# Altium PCB 28Pins_Project_V1I1_PCB.PcbDoc (part 2 of 2)
Units mm, origin at the board's own origin, x right, y up, seen from the top; angles counter-clockwise.
Board outline 93 x 55.5 mm, 2 copper layers (L1, L2), stack 1.671 mm thick; 126 components, 78 nets, 418 pads, 95 vias.
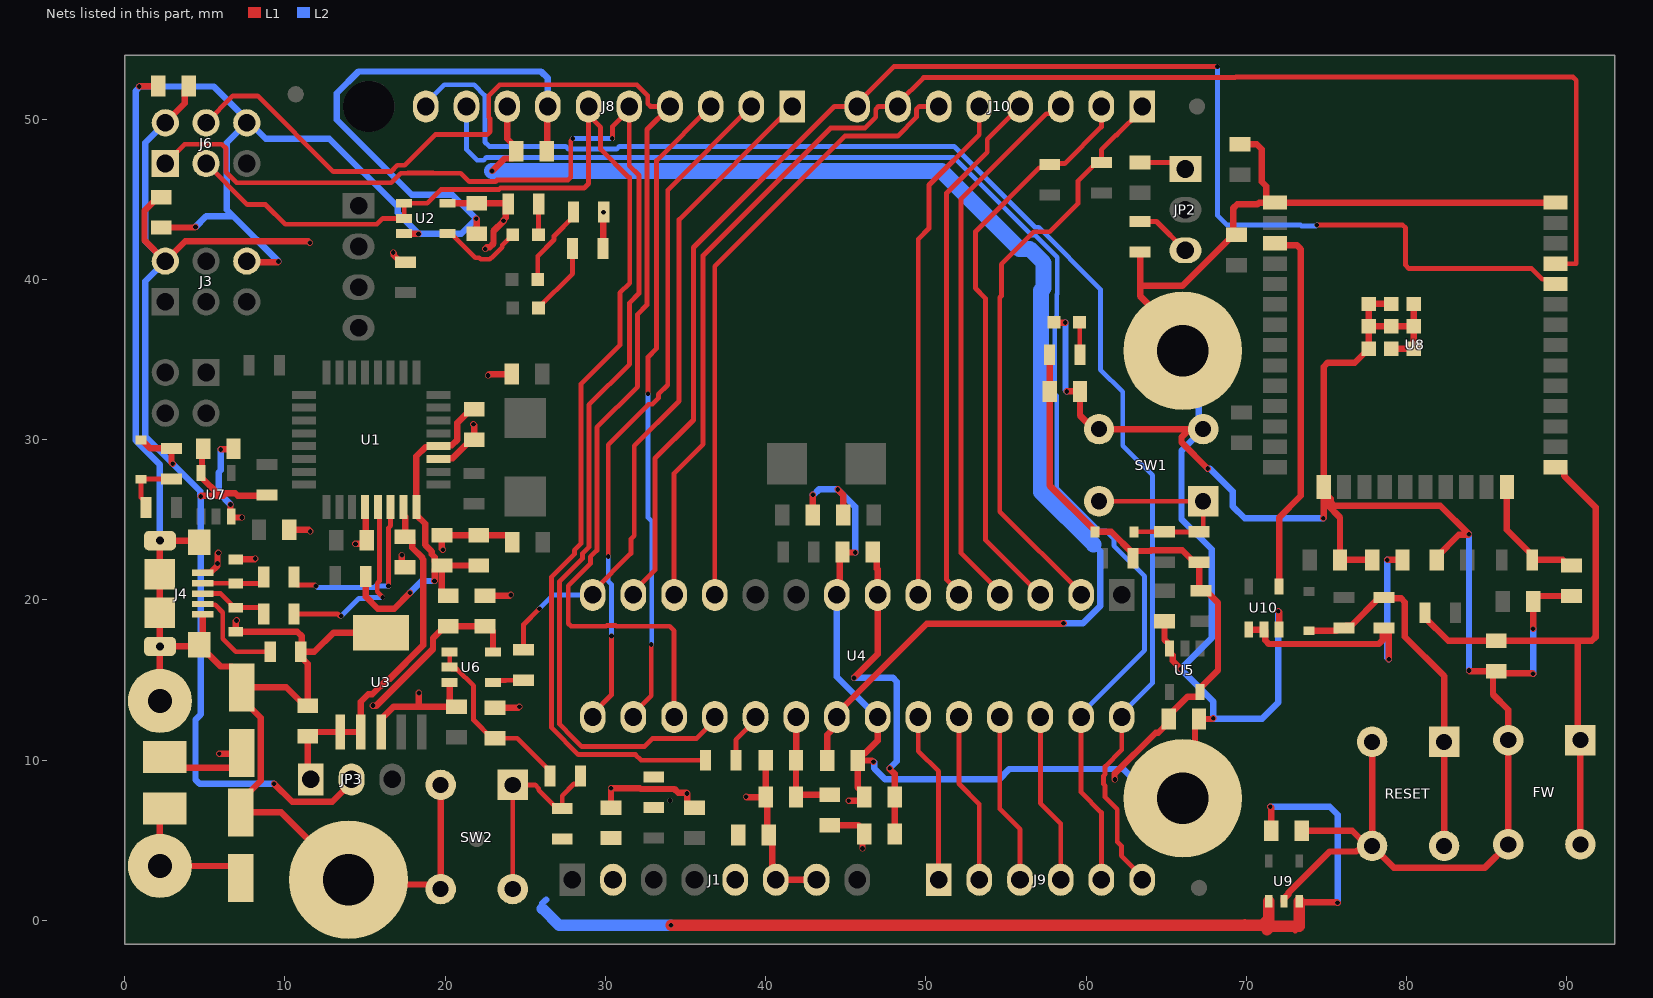
[diagram p2: the nets of this part, all layers, seen from the top]

## Via types
v1: diameter 0.3, hole 0.3, L1 to L2, 95 vias

## Nets (pads, with @x,y where several pads share a name; then routed paths per layer and width w, separated by ;. In a path a pad name is that pad's centre, name@x,y a point inside that pad or via, vN(x,y) a via of type N, cw(c..) or ccw(c..) an arc to the next point about the centre after c; other vN are vias at no path point) (continued)
+5/3.3V: C2.2 C4.2 C5.2 C11.2 C19.2 C28.2 C29.2 C30.2 D5.1 D6.1 FB1.1 FB2.1 FB3.1 J1.2 J3.2 J6.2 JP3.2 R1.2 R2.2 R3.2 R4.2 R5.2 R7.2 R15.2 R16.1 R19.2 R21.2 R22.2 R23.2 R24.2 U2.5 U5.5 U6.5 U7.5 | length 146
  L1 w0.4: D6.1@1.016,29.972 1.079,29.972 1.593,29.459 R24.2@2.921,29.459 2.921,28.575 v1(2.997,28.499) ; C11.2@2.286,45.146 2.086,45.146 1.236,44.296 1.236,42.452 J3.2@2.54,41.148 3.79,42.398 11.45,42.398 v1(11.557,42.291) ; J6.2@2.54,49.784 3.748,50.992 3.748,51.82 C19.2@3.998,52.07 ; v1(4.75,26.467) 4.788,26.505 5.896,26.505 6.16,26.505 6.314,26.659 6.894,26.659 7.048,26.505 8.847,26.505 R7.2@8.89,26.548 ; C30.2@4.892,29.439 4.823,29.37 4.823,27.983 U7.5@4.755,27.915 4.755,27.69 5.896,26.548 ; v1(9.322,8.534) 10.456,7.4 12.96,7.4 14.16,8.6 JP3.2@14.16,8.8 ; v1(15.494,13.411) 15.718,13.411 19.244,16.936 19.244,17.605 19.993,18.354 FB1.1@20.193,18.354 C29.2@22.479,18.354 ; v1(16.764,41.681) 16.802,41.643 16.802,41.506 17.226,41.082 R3.2@17.526,41.082 ; U2.5@20.146,44.765 C5.2@21.971,44.765 23.881,44.765 R5.2@23.942,44.704 23.792,44.554 23.792,43.866 23.65,43.724 v1(23.65,43.67) 23.65,43.655 23.021,43.026 23.021,42.249 22.787,42.015 22.609,42.015 v1(22.504,41.91) ; C29.2@22.679,18.354 22.987,18.046 U6.5@22.987,16.759 ; R2.2@29.855,41.935 29.881,41.961 v1(29.881,44.196) R1.2@29.906,44.221 ; FB3.1@44,5.95 45.8,5.95 46.15,5.6 FB2.1@46.15,5.4 46.05,5.3 v1(46.05,4.496) ; R4.2@57.724,35.306 C4.2@57.724,33.02 57.724,27.15 60.554,24.32 D5.1@60.554,24.257 61.575,24.257 R19.2@62.926,22.906 ; v1(61.8,8.8) 61.777,8.823 61.777,9.155 64.342,11.72 64.498,11.72 65.151,12.373 C28.2@65.151,12.573 ; R19.2@62.926,22.606 R19.2@62.926,22.906 ; C28.2@65.151,12.773 66.349,13.971 67.042,13.971 67.117,14.046 U5.5@67.117,14.271 67.117,14.496 68.233,15.612 68.233,19.824 67.483,20.574 R21.2@67.183,20.574 67.056,20.701 R22.2@67.056,22.352 66.756,22.352 66.006,23.102 64.081,23.102 64.035,23.056 63.076,23.056 R19.2@62.926,22.906
  L2 w0.4: J6.2@2.54,49.784 1.29,48.534 1.29,42.398 J3.2@2.54,41.148 1.29,39.898 1.29,30.206 v1(2.997,28.499) 4.712,26.784 4.712,26.505 v1(4.75,26.467) 4.75,12.856 4.42,12.525 4.42,8.788 4.674,8.534 v1(9.322,8.534)
  other v1: 34.036,7.493
+5/3V3_16U2: C6.2 C7.2 C8.2 FB1.2 R6.2 U1.4 U1.32 | length 25.1
  L1 w0.4: R6.2@15.047,21.463 15.047,20.213 15.801,19.459 16.817,19.459 v1(17.805,20.447) ; v1(19.329,21.184) 19.35,21.204 19.35,21.9 C7.2@19.6,22.15 ; FB1.2@20.193,20.254 20.05,20.254 19.8,20.504 C7.2@19.8,22.15 ; C8.2@21.819,31.913 21.619,31.913 20.769,31.063 20.769,30.003 20.416,29.65 19.65,29.65 U1.4@19.6,29.6 19.55,29.55 18.784,29.55 18.2,28.966 U1.32@18.2,25.8 18.2,25.3 18.75,24.75 18.75,23.434 19.163,23.022 19.163,22.849 19.35,22.662 19.35,22.4 C7.2@19.6,22.15 ; C6.2@22.1,22.15 C7.2@19.8,22.15 ; C7.2@19.6,22.15 C7.2@19.8,22.15
  L2 w0.4: v1(17.805,20.447) 18.542,21.184 v1(19.329,21.184)
+5/3V3_328P_AVCC: C23.2 C24.2 FB3.2 U4.20 | length 7.2
  L1 w0.4: U4.20@41.91,12.7 41.905,12.695 41.905,10.005 C24.2@41.9,10 C23.2@41.9,7.7 42.05,7.85 FB3.2@44,7.85
+5/3V3_328P_VCC: C21.2 C22.2 FB2.2 U4.7 | length 21.2
  L1 w0.4: v1(45.517,15.138) 46.99,16.612 U4.7@46.99,20.32 46.99,21.92 46.95,21.96 46.95,22.75 C22.2@46.7,23 ; v1(47.752,9.5) 47.752,9.445 48.05,9.147 C21.2@48.05,7.7 FB2.2@48.05,5.4
  L2 w0.4: v1(45.517,15.138) 47.949,15.138 48.19,14.898 48.19,9.938 v1(47.752,9.5)
+5V: C1.2 C9.2 C13.1 C17.2 C37.2 J1.5 J5.1 JP3.1 L1.2 R15.1 U1.31 U3.1 U3.2 U9.1 U9.3 | length 97.9
  L1 w0.4: L1.2@2.5,7 2.2,6.7 J5.1@2.2,3.4 6.639,3.4 7.239,2.8 C13.1@7.239,2.649 ; C17.2@11.43,11.496 11.43,8.99 JP3.1@11.62,8.8 ; C17.2@11.63,11.496 11.893,11.759 U3.1@13.462,11.759 U3.2@14.732,11.759 14.732,13.639 15.204,14.111 15.457,14.111 16.386,15.04 16.498,15.04 18.644,17.185 18.644,20.879 18.629,20.894 18.629,21.474 18.644,21.488 18.644,22.52 18.563,22.601 18.563,22.653 17.95,23.266 17.95,23.7 17.7,23.95 C9.2@17.5,23.95 17.5,25.2 17.4,25.3 U1.31@17.4,25.8 ; 69.7,-0.3 69.9,-0.1 ; 71,-0.3 71.3,-0.6 ; v1(71.5,7.1) 71.55,7.05 C37.2@71.55,5.6 ; 73.066,-0.6 73.3,-0.366 ; U9.3@73.3,1.198 73.3,1.167 73.329,1.138 75.662,1.138 v1(75.7,1.1)
  L1 w0.7: v1(34.1,-0.3) 69.7,-0.3 71,-0.3 71.4,0.1 U9.1@71.4,1.198 ; 71.3,-0.6 71.534,-0.366 73.3,-0.366 U9.3@73.3,1.198
  L2 w0.4: 26.066,0.734 26.066,1.066 26.3,1.3 ; v1(71.5,7.1) 75.2,7.1 75.7,6.6 v1(75.7,1.1)
  L2 w0.7: 26.066,0.734 27.1,-0.3 v1(34.1,-0.3)
+5V_USB: C12.1 J4.1 L1.1 | length 9
  L1 w0.4: L1.1@2.5,10.2 3.175,9.525 6.7,9.525 7.3,10.125 C12.1@7.3,10.45 7.25,10.4 v1(5.9,10.4) ; J4.1@4.875,21.7 5.35,21.7 5.791,22.141 5.791,22.877 v1(5.85,22.936)
  other v1: 5.791,22.276
+AREF: C20.2 C25.2 J8.8 U4.21 | length 87.4
  L1 w0.4: v1(22.929,46.775) 22.95,46.775 23.731,47.556 24.2,47.556 24.45,47.806 C20.2@24.45,48.006 24.45,48.206 23.876,48.78 J8.8@23.876,50.8 ; C25.2@43.856,9.982 43.856,11.581 44.45,12.175 U4.21@44.45,12.7 44.45,12.9 50.067,18.517 58.496,18.517 58.522,18.542 v1(58.598,18.542)
  L2 w0.4: v1(58.598,18.542) 59.809,18.542 60.89,19.623 60.89,23.041 60.466,23.466
  L2 w1: v1(22.929,46.775) 50.974,46.775 55.837,41.911 56.476,41.911 57.355,41.033 57.355,39.457 57.201,39.303 57.201,26.73 60.466,23.466
AD0: J9.1 U4.23 | length 10.7
  L1 w0.3: U4.23@49.53,12.7 49.53,10.57 50.8,9.3 J9.1@50.8,2.54
AD1: J9.2 U4.24 | length 10.7
  L1 w0.3: U4.24@52.07,12.7 52.07,8.534 53.34,7.264 J9.2@53.34,2.54
AD2: J9.3 U4.25 | length 10.7
  L1 w0.3: U4.25@54.61,12.7 54.61,6.96 55.88,5.69 J9.3@55.88,2.54
AD3: J9.4 U4.26 | length 10.7
  L1 w0.3: U4.26@57.15,12.7 57.15,7.315 58.42,6.045 J9.4@58.42,2.54
AD4/SDA: J8.9 J9.5 U4.27 | length 86.1
  L1 w0.3: U4.27@59.69,12.7 59.69,8.001 60.96,6.731 J9.5@60.96,2.54
  L2 w0.3: J8.9@21.336,50.8 21.336,48.108 21.996,47.447 22.399,47.447 22.577,47.625 51.744,47.625 56.607,42.761 56.828,42.761 58.205,41.385 58.205,39.105 58.166,39.066 58.166,37.697 58.051,37.582 58.051,32.851 58.166,32.736 58.166,26.968 60.818,24.316 61.242,24.316 61.74,23.818 61.74,23.394 63.652,21.481 63.652,16.862 59.69,12.9 U4.27@59.69,12.7
AD5/SDL: J8.10 J9.6 U4.28 | length 90.4
  L1 w0.3: U4.28@62.23,12.7 62.23,10.643 61.189,9.601 61.189,9.123 61.097,9.032 61.097,8.494 61.189,8.403 61.189,7.696 61.951,6.934 61.951,4.902 62.205,4.648 62.205,4.035 63.5,2.74 J9.6@63.5,2.54
  L2 w0.3: J8.10@18.796,50.8 18.796,51 19.946,52.15 21.812,52.15 22.486,51.476 22.486,48.583 22.758,48.311 27.529,48.311 27.696,48.143 30.698,48.143 30.866,48.311 51.765,48.311 51.853,48.223 56.815,43.261 57.035,43.261 60.9,39.396 60.9,34.374 62.289,32.985 62.289,29.638 64.152,27.774 64.152,14.822 62.23,12.9 U4.28@62.23,12.7
BUTTON_RESET_ESP: D7.2 R29.1 R30.1 RESET.1 RESET.2 | length 23.2
  L1 w0.4: D7.2@73.9,18.081 75.631,18.081 75.8,18.25 R29.1@76.1,18.25 76.25,18.4 76.55,18.4 78.3,20.15 R30.1@78.6,20.15 78.65,20.1 79.666,20.1 79.9,19.866 79.9,17.7 82.35,15.25 RESET.1@82.35,11.15 RESET.2@82.35,4.65
BUTTON_RESETn: D5.2 R22.1 R25.1 SW1.1 SW1.2 | length 12.6
  L1 w0.3: SW1.2@60.81,26.162 SW1.1@67.31,26.162 67.31,24.452 R22.1@67.11,24.252 ; D5.2@62.992,24.257 62.994,24.255 64.894,24.255 R25.1@64.897,24.252 R22.1@67.056,24.252
CON_USB_N: J4.2 R9.1 Z1.2 | length 4.1
  L1 w0.3: J4.2@4.875,21.05 4.887,21.038 6.914,21.038 Z1.2@6.925,21.027 8.475,21.027 8.675,21.227 R9.1@8.675,21.427
CON_USB_P: J4.3 R10.1 Z2.2 | length 4.5
  L1 w0.3: J4.3@4.875,20.4 6,20.4 6.625,19.775 6.625,19.677 6.775,19.527 Z2.2@6.925,19.527 8.475,19.527 8.675,19.327 R10.1@8.675,19.127
ESP_BUF_RESETn: C39.2 R30.2 U10.1 U10.2 | length 19.3
  L1 w0.4: U10.1@70.15,18.15 U10.2@71.1,18.15 71.175,18.075 71.175,17.484 71.409,17.25 78.266,17.25 78.5,17.484 78.5,18.15 R30.2@78.6,18.25 78.75,18.25 78.9,18.1 v1(78.9,16.3) ; v1(78.8,22.5) C39.2@79.75,22.5
  L2 w0.4: v1(78.8,22.5) 78.8,16.4 v1(78.9,16.3)
ESP_RESETn: U8.3 U10.4 | length 23.4
  L1 w0.4: U8.3@71.799,42.26 71.908,42.151 73.149,42.151 73.4,41.9 73.4,26.5 72.05,25.15 U10.4@72.05,20.85
GND: C1.1 C2.1 C3.1 C4.1 C5.1 C6.1 C7.1 C8.1 C9.1 C10.1 C11.1 C12.2 C13.2 C14.1 C15.1 C17.1 C18.1 C19.1 C20.1 C21.1 C22.1 C23.1 C24.1 C25.1 C26.1 C27.1 C28.1 C29.1 C30.1 C31.1 C32.1 C33.1 C34.1 C35.1 C36.1 C37.1 C38.1 C39.1 C40.1 C41.1 C42.1 D3.1 FW.3 FW.4 J1.6 J1.7 J3.6 J4.5 J4.6 J4.7 J4.8 J4.9 J4.10 J4.11 J6.6 J7.1 J8.7 MH1.1 MH2.1 MH3.1 R11.2 R17.1 RESET.3 RESET.4 SW1.3 SW1.4 SW2.3 SW2.4 U1.3 U1.28 U2.3 U3.3 U3.6 U4.8 U4.22 U5.3 U6.3 U7.3 U8.1 U8.15 U8.38 U8.39 U8.40 U8.41 U8.42 U8.43 U8.44 U8.45 U8.46 U8.47 U9.2 U10.3 Z1.1 Z2.1 | length 499
  L1 w0.4: v1(0.914,52.045) 0.94,52.07 C19.1@2.098,52.07 ; J7.1@2.2,13.7 J4.9@2.2,17.1 ; C11.1@2.286,43.246 4.384,43.246 v1(4.42,43.282) ; J4.7@4.65,17.1 5.15,16.6 5.25,16.6 6,15.85 6.7,15.85 7.3,15.25 C12.2@7.3,14.55 ; J4.6@4.65,23.6 4.55,23.7 J4.8@2.2,23.7 J4.10@2.2,21.6 J4.11@2.2,19.2 J4.9@2.2,17.1 ; J4.5@4.875,19.1 4.875,17.425 J4.7@4.65,17.2 4.55,17.1 J4.9@2.2,17.1 ; v1(6,29.4) 6.753,29.4 C30.1@6.792,29.439 ; v1(6.604,25.959) 6.604,25.265 U7.3@6.655,25.215 6.723,25.146 v1(7.315,25.146) ; Z1.1@6.925,22.527 6.952,22.554 8.127,22.554 v1(8.153,22.581) ; v1(6.985,18.727) 6.925,18.667 Z2.1@6.925,18.027 10.777,18.027 11.049,17.755 11.049,16.83 R11.2@10.983,16.764 ; J3.6@7.62,41.148 7.696,41.072 9.55,41.072 v1(9.601,41.123) ; C33.1@10.282,24.384 11.481,24.384 v1(11.582,24.282) ; v1(14.4,23.5) 14.874,23.5 C10.1@15.098,23.724 15.049,23.773 15.049,25.751 U1.28@15,25.8 ; U3.3@16.002,11.759 16.002,12.559 16.778,13.335 18.364,13.335 ; U3.6@16.002,17.959 13.031,17.959 11.836,16.764 R11.2@10.983,16.764 ; v1(17.3,22.8) 17.3,22.25 C9.1@17.5,22.05 ; U2.3@17.446,42.865 18.324,42.865 v1(18.339,42.85) ; v1(18.364,14.199) 18.364,13.335 ; U1.3@19.6,28.8 19.65,28.85 20.464,28.85 21.369,29.754 21.369,29.763 21.619,30.013 C8.1@21.819,30.013 21.819,30.912 v1(21.768,30.963) ; SW2.3@19.721,8.457 SW2.4@19.721,1.957 19.434,2.244 14.266,2.244 MH1.1@13.97,2.54 9.761,6.749 C13.2@7.239,6.749 7.239,7.449 8.5,8.71 8.5,12.65 7.3,13.85 C12.2@7.3,14.55 ; v1(19.863,23.139) 19.8,23.202 C7.1@19.8,24.05 C6.1@22.1,24.05 23.95,24.05 24.2,23.8 C15.1@24.2,23.6 ; U6.3@20.287,14.859 20.287,13.585 20.537,13.335 C18.1@20.701,13.335 18.364,13.335 ; v1(21.946,43.79) 21.971,43.764 C5.1@21.971,42.865 ; C29.1@22.479,20.254 24.039,20.254 v1(24.105,20.32) ; v1(22.682,34.011) 22.772,34.1 C14.1@24.15,34.1 ; C32.1@23.114,13.269 24.572,13.269 v1(24.638,13.335) ; C20.1@26.35,48.006 26.383,48.039 26.383,50.767 J8.7@26.416,50.8 ; C2.1@30.353,7.046 30.508,7.046 30.353,7.201 v1(30.353,8.255) 32.15,8.255 32.204,8.201 34.318,8.201 34.556,7.963 35.065,7.963 v1(35.103,7.925) 35.11,7.918 35.11,7.296 35.36,7.046 C3.1@35.56,7.046 ; v1(38.786,7.722) 38.807,7.7 C23.1@40,7.7 ; C24.1@40,10 C23.1@40,7.7 ; C26.1@42.95,25.3 42.95,26.567 v1(42.951,26.568) ; J1.7@43.18,2.54 J1.6@40.64,2.54 40.416,2.764 40.416,5.111 C1.1@40.193,5.334 40.096,5.43 40.096,7.604 C23.1@40,7.7 ; U4.8@44.45,20.32 44.625,20.495 44.625,22.705 44.628,22.708 44.628,22.828 C22.1@44.8,23 44.838,22.962 v1(45.593,22.962) ; v1(44.501,26.899) 44.85,26.549 C27.1@44.85,25.3 ; v1(45.187,7.468) 45.918,7.468 C21.1@46.15,7.7 46.15,7.9 45.756,8.294 C25.1@45.756,9.982 46.634,9.982 46.711,9.906 v1(46.736,9.906) ; C25.1@45.756,10.182 46.006,10.432 46.206,10.432 46.99,11.217 U4.22@46.99,12.7 ; D3.1@58.001,37.338 58.026,37.313 v1(58.701,37.313) ; v1(58.801,33.02) C4.1@59.624,33.02 59.624,31.511 60.473,30.662 SW1.4@60.81,30.662 SW1.3@66.462,30.662 ; R17.1@63.373,41.722 63.373,39.6 ; C31.1@64.897,18.674 64.897,17.516 65.217,17.196 65.217,16.746 65.405,16.558 65.405,16.205 v1(65.913,15.697) ; MH2.1@66.04,7.62 66.801,8.381 66.801,12.123 67.048,12.37 67.208,12.37 67.051,12.527 C28.1@67.051,12.573 67.894,12.573 v1(67.945,12.624) ; MH3.1@66.04,35.56 66.04,36.307 63.373,38.974 63.373,39.6 ; SW1.3@67.31,30.662 SW1.3@66.462,30.662 ; v1(67.6,28.2) 65.96,29.84 65.96,30.16 SW1.3@66.462,30.662 ; C36.1@69.6,48.45 70.65,48.45 70.967,48.133 70.967,46.105 71.25,45.822 71.25,44.8 70.8,44.8 70.7,44.7 69.434,44.7 69.2,44.466 69.2,43 C35.1@69.4,42.8 69.2,42.8 66,39.6 63.373,39.6 ; U8.1@71.799,44.8 U8.38@89.3,44.8 ; v1(72,19.3) 72.05,19.25 U10.3@72.05,18.15 ; U9.2@72.35,1.198 72.35,1.37 72.661,1.681 72.661,1.754 75.208,4.3 76.866,4.3 76.929,4.363 77.563,4.363 RESET.4@77.85,4.65 ; C37.1@73.45,5.6 76.608,5.6 77.558,4.65 RESET.4@77.85,4.65 ; v1(74.8,25.1) 74.835,25.135 U8.15@74.835,26.734 ; 75.079,26.124 75.079,25.921 75.85,25.15 C34.1@75.85,22.5 C39.1@77.85,22.5 ; RESET.3@77.85,11.15 RESET.4@77.85,4.65 ; U8.43@79.049,35.679 U8.44@80.448,35.679 U8.45@80.448,37.078 ; U8.47@79.049,38.478 U8.40@77.649,38.478 U8.41@77.649,37.078 ; U8.46@80.448,38.478 U8.45@80.448,37.078 ; C38.1@81.9,22.7 83.262,24.062 83.862,24.062 v1(83.9,24.1) 82.11,25.89 75.495,25.89 75.26,26.124 75.26,26.309 U8.15@74.835,26.734 ; v1(83.9,15.6) 83.95,15.55 C40.1@85.6,15.55 ; v1(87.9,15.4) 87.862,15.438 85.712,15.438 C40.1@85.6,15.55 ; v1(87.9,18.2) 87.9,20 88.15,20.25 C41.1@90.3,20.25 ; C12.2@7.3,14.55 10.076,14.55 11.23,13.396 C17.1@11.43,13.396 11.43,16.017 10.983,16.464 R11.2@10.983,16.764 ; U8.15@74.835,26.734 U8.15@74.835,27.039 74.835,34.566 75.069,34.8 76.77,34.8 U8.42@77.649,35.679 U8.41@77.649,37.078 ; U8.41@77.649,37.078 U8.39@79.049,37.078 U8.45@80.448,37.078 ; RESET.4@77.85,4.65 79.2,3.3 84.9,3.3 FW.4@86.35,4.75 FW.3@86.35,11.25 86.35,13.15 85.4,14.1 85.4,15.35 C40.1@85.6,15.55
  L2 w0.4: J4.8@2.2,23.7 2.2,28.447 0.69,29.957 0.69,51.766 0.914,51.99 v1(0.914,52.045) 5.563,52.045 8.814,48.793 12.772,48.793 17.033,44.533 17.033,44.155 v1(18.339,42.85) 21.006,42.85 v1(21.946,43.79) 20.436,45.299 17.912,45.299 13.24,49.972 13.24,51.628 14.596,52.984 25.984,52.984 26.416,52.553 J8.7@26.416,50.8 ; v1(4.42,43.282) 5.08,43.942 6.782,43.942 ; v1(6,29.4) 6,28.087 5.867,27.954 5.867,26.695 v1(6.604,25.959) ; J6.6@7.62,49.784 6.37,48.534 6.37,44.354 6.782,43.942 ; v1(9.601,41.123) 6.782,43.942 ; v1(42.951,26.568) 43.006,26.568 43.336,26.899 v1(44.501,26.899) 45.593,25.806 v1(45.593,22.962) ; U4.8@44.45,20.32 44.45,15.215 46.965,12.7 U4.22@46.99,12.7 ; v1(46.736,9.906) 46.774,9.868 46.774,9.487 47.462,8.8 54.565,8.8 55.214,9.449 62.317,9.449 64.146,7.62 MH2.1@66.04,7.62 ; v1(58.701,37.313) 58.716,37.298 58.716,33.105 v1(58.801,33.02) ; MH3.1@66.04,35.56 67.023,34.577 67.023,30.949 SW1.3@67.31,30.662 65.96,29.312 65.96,25.046 67.845,23.161 67.845,17.629 v1(65.913,15.697) 67.945,13.665 v1(67.945,12.624) 67.969,12.6 71,12.6 72,13.6 v1(72,19.3) ; v1(67.6,28.2) 67.738,28.2 69.163,26.775 69.163,25.837 69.9,25.1 v1(74.8,25.1) ; v1(83.9,15.6) v1(83.9,24.1) ; v1(87.9,15.4) v1(87.9,18.2)
IO0: J10.1 R12.2 U4.2 | length 37
  L1 w0.3: U4.2@59.69,20.32 59.69,20.447 54.62,25.517 54.62,38.877 54.721,38.978 54.721,39.121 54.727,39.126 54.727,39.665 54.721,39.67 54.721,40.954 56.744,42.977 57.734,42.977 59.495,44.737 59.495,46.14 60.66,47.305 R12.2@60.96,47.305 60.96,48.105 61.882,49.027 61.927,49.027 63.5,50.6 J10.1@63.5,50.8
IO1: J10.2 R14.2 U4.3 | length 35.9
  L1 w0.3: U4.3@57.15,20.32 53.721,23.749 53.721,38.832 53.1,39.453 53.1,42.991 57.087,46.978 57.534,46.978 R14.2@57.734,47.178 ; R14.2@58.174,47.039 58.174,47.178 58.234,47.239 58.674,47.239 60.96,49.525 J10.2@60.96,50.8
IO2: J10.3 U4.4 | length 34.3
  L1 w0.3: U4.4@54.61,20.32 54.61,20.515 52.2,22.925 52.2,45.037 57.514,50.351 57.971,50.351 J10.3@58.42,50.8
IO3: J10.4 U4.5 | length 32.7
  L1 w0.3: U4.5@52.07,20.32 52.07,20.499 51.3,21.269 51.3,45.4 53.84,47.94 53.84,48.76 J10.4@55.88,50.8
IO4: J10.5 U4.6 | length 32.1
  L1 w0.3: U4.6@49.53,20.32 49.53,42.52 50.2,43.19 50.2,45.9 53.34,49.04 J10.5@53.34,50.8
IO5: J10.6 U4.11 | length 38.9
  L1 w0.3: U4.11@36.83,20.32 36.83,40.83 44.95,48.95 48.236,48.95 49.41,50.124 49.41,50.624 49.586,50.8 J10.6@50.8,50.8
IO6: J10.7 U4.12 U8.35 | length 94.3
  L1 w0.3: U4.12@34.29,20.32 34.29,27.915 36.1,29.725 36.1,41.5 44.05,49.45 46.196,49.45 46.87,50.124 46.87,50.624 47.046,50.8 J10.7@48.26,50.8 48.26,51 49.86,52.6 69.3,52.6 69.34,52.64 90.384,52.64 90.6,52.424 90.6,41 90.59,40.99 U8.35@89.3,40.99
IO7: J10.8 U4.13 U8.34 | length 94.3
  L1 w0.3: U4.13@31.75,20.32 31.75,20.52 33.096,21.866 33.096,28.829 35.5,31.233 35.5,42 44.3,50.8 J10.8@45.72,50.8 45.72,51 48.02,53.3 v1(68.2,53.3) ; v1(74.4,43.4) 79.77,43.4 79.946,43.224 79.946,40.887 80.151,40.682 87.818,40.682 88.485,40.014 89.005,40.014 U8.34@89.3,39.72
  L2 w0.3: v1(68.2,53.3) 68.2,44 68.8,43.4 73.381,43.4 73.431,43.35 74.35,43.35 v1(74.4,43.4)
IO8: J8.1 R26.2 U4.14 | length 42.3
  L1 w0.3: R26.2@24.892,16.891 24.892,18.466 v1(25.883,19.456) ; U4.14@29.21,20.32 29.21,20.52 31.598,22.908 31.598,23.8 31.801,24.003 31.801,29.62 34.6,32.42 34.6,43.744 J8.1@41.656,50.8
  L2 w0.3: v1(25.883,19.456) 26.746,20.32 U4.14@29.21,20.32
IO9: J8.2 U4.15 | length 42.5
  L1 w0.3: U4.15@29.21,12.7 29.21,12.9 30.378,14.068 v1(30.378,17.755) ; v1(30.175,22.708) 30.175,29.693 32.7,32.218 32.934,32.218 33.314,32.598 33.314,32.832 33.9,33.417 33.9,45.584 J8.2@39.116,50.8
  L2 w0.3: v1(30.175,22.708) 30.175,21.181 30.378,20.978 v1(30.378,17.755)
MISO: J6.1 J8.5 U4.18 | length 87.4
  L1 w0.3: J6.1@2.54,47.244 3.74,48.444 6.064,48.444 6.325,48.184 6.325,46.707 6.987,46.044 16.635,46.044 17.225,46.634 17.674,46.634 17.689,46.649 19.264,46.649 19.279,46.634 20.981,46.634 21.504,46.111 23.147,46.111 23.24,46.204 27.663,46.204 27.838,46.38 27.838,48.666 v1(27.965,48.793) ; v1(30.429,48.793) 30.439,48.804 30.439,49.543 J8.5@31.496,50.6 ; J8.5@31.496,50.8 J8.5@31.496,50.6 ; U4.18@36.83,12.7 36.83,12.5 35.68,11.35 32.933,11.35 32.433,10.85 28.524,10.85 27.56,11.814 27.56,11.83 27.145,12.245 27.145,21.158 28.566,22.579 28.566,22.893 28.972,23.3 28.972,32.172 31.514,34.714 31.514,38.55 32.1,39.136 32.1,46.509 31.496,47.113 J8.5@31.496,50.6
  L2 w0.3: v1(27.965,48.793) v1(30.429,48.793)
MOSI: J6.4 J8.4 U4.17 | length 83.2
  L1 w0.3: J6.4@5.08,49.784 6.756,51.46 8.306,51.46 13.028,46.738 16.622,46.738 17.018,47.134 17.467,47.134 19.38,49.047 22.633,49.047 22.809,49.223 22.809,50.04 22.726,50.124 22.726,51.476 23.4,52.15 31.972,52.15 32.646,51.476 32.646,50.976 32.822,50.8 J8.4@34.036,50.8 32.6,49.364 32.6,38.417 32.014,37.831 32.014,33.314 29.472,30.772 29.472,23.093 29.066,22.686 29.066,22.258 27.686,20.879 27.686,18.532 27.862,18.357 30.061,18.357 30.109,18.405 30.648,18.405 30.696,18.357 34.018,18.357 34.29,18.085 U4.17@34.29,12.7
NetC16_2: C16.2 JP2.1 | length 3
  L1 w0.3: C16.2@63.373,47.305 65.795,47.305 JP2.1@66.2,46.9
NetC40_2: C40.2 FW.1 FW.2 R31.1 U8.25 | length 36.3
  L1 w0.4: R31.1@81.15,19.2 81.15,18.9 82.6,17.45 90.6,17.45 ; U8.25@89.3,28.29 89.605,28.29 89.849,28.045 89.849,27.741 91.8,25.79 91.8,17.684 91.566,17.45 90.6,17.45 ; FW.2@90.85,4.75 FW.1@90.85,11.25 90.684,11.416 90.684,17.366 90.6,17.45
NetC41_2: C41.2 R32.1 U8.24 | length 7.8
  L1 w0.4: U8.24@86.265,27.039 86.265,24.385 87.85,22.8 R32.1@87.85,22.5 89.75,22.5 90.1,22.15 C41.2@90.3,22.15
NetD1_2: D1.2 R1.1 | length 5.1
  L1 w0.3: D1.2@25.781,40.005 25.781,41.466 26.794,42.479 26.794,42.709 28.006,43.921 R1.1@28.006,44.221
NetD2_2: D2.2 R2.1 | length 4.6
  L1 w0.3: D2.2@25.819,38.227 27.955,40.363 R2.1@27.955,41.935
NetD3_2: D3.2 R4.1 | length 2
  L1 w0.3: D3.2@59.601,37.338 59.612,37.327 59.612,35.317 R4.1@59.624,35.306
NetD4_1: D4.1 U2.4 | length 5.5
  L1 w0.3: U2.4@20.146,42.865 20.371,42.865 21.876,41.36 22.135,41.36 22.235,41.26 22.774,41.26 22.874,41.36 22.909,41.36 23.571,42.022 23.571,42.151 D4.1@24.219,42.799
NetD4_2: D4.2 R5.1 | length 1.9
  L1 w0.3: D4.2@25.819,42.799 25.83,42.81 25.83,44.693 R5.1@25.842,44.704
NetD6_2: D6.2 R24.1 R28.1 | length 3.8
  L1 w0.3: R28.1@1.336,25.781 1.336,26.081 1.016,26.401 D6.2@1.016,27.534 1.029,27.546 2.908,27.546 R24.1@2.921,27.559
NetJ4_4: J4.4 R11.1 | length 6.4
  L1 w0.3: J4.4@4.875,19.75 4.925,19.7 5.645,19.7 6.125,19.22 6.125,17.582 6.943,16.764 R11.1@9.083,16.764
NetJP2_3: JP2.3 R17.2 | length 3.6
  L1 w0.3: R17.2@63.373,43.622 64.398,43.622 JP2.3@66.2,41.82
NetR26_1: R26.1 U6.4 | length 2
  L1 w0.3: U6.4@22.987,14.859 23.112,14.984 23.785,14.984 23.792,14.991 R26.1@24.892,14.991
SCK: J6.3 J8.6 R18.2 U2.1 U2.2 | length 83.7
  L1 w0.3: J6.3@5.08,47.244 7.645,44.679 8.788,44.679 10.017,43.45 15.745,43.45 16.11,43.815 U2.2@17.446,43.815 U2.1@17.446,44.765 18.876,44.765 19.722,45.611 23.354,45.611 23.447,45.704 28.667,45.704 28.956,45.993 J8.6@28.956,50.248 ; J8.6@28.956,50.8 J8.6@28.956,50.248 ; R18.2@36.25,10 32.227,10 31.877,10.35 28.317,10.35 26.645,12.022 26.645,21.438 28.066,22.859 28.066,23.1 28.472,23.507 28.472,33.472 30.912,35.912 30.912,39.167 31.521,39.776 31.521,46.38 31.445,46.38 29.7,48.126 29.7,49.504 J8.6@28.956,50.248
SCK_R: R18.1 U4.19 | length 3.2
  L1 w0.3: R18.1@38.15,10 38.15,11.28 39.37,12.5 U4.19@39.37,12.7
SS: J8.3 U4.16 | length 40.3
  L1 w0.3: U4.16@31.75,12.7 31.75,12.9 32.868,14.018 v1(32.868,17.221) ; v1(32.664,32.868) 32.664,35.164 33.2,35.7 33.2,47.424 J8.3@36.576,50.8
  L2 w0.3: v1(32.664,32.868) 32.664,25.138 32.9,24.902 32.9,17.254 v1(32.868,17.221)
USB_N: R9.2 U1.30 | length 11.4
  L1 w0.3: R9.2@10.575,21.427 10.575,21.127 10.775,20.927 11.89,20.927 v1(11.938,20.879) ; v1(16.468,20.873) 16.468,24.513 16.6,24.645 U1.30@16.6,25.8
  L2 w0.3: v1(11.938,20.879) 12.04,20.777 15.568,20.777 15.664,20.873 v1(16.468,20.873)
USB_P: R10.2 U1.29 | length 11.9
  L1 w0.3: R10.2@10.575,19.127 13.304,19.127 13.432,18.999 v1(13.513,18.999) ; U1.29@15.8,25.8 15.898,25.702 15.898,21.186 15.758,21.046 15.758,20.508 v1(16.107,20.159)
  L2 w0.3: v1(13.513,18.999) 14.605,20.091 15.207,20.091 15.275,20.159 v1(16.107,20.159)
USER_BUTTON: R23.1 R27.1 SW2.1 SW2.2 | length 12.9
  L1 w0.3: SW2.2@24.221,1.957 SW2.1@24.221,8.457 25.621,8.457 25.848,8.23 25.848,8.137 27.005,6.98 R23.1@27.305,6.98 27.305,7.78 28.042,8.517 28.248,8.517 28.448,8.717 R27.1@28.448,9.017
USER_BUTTON_BUF: C32.2 R27.2 U6.1 U6.2 | length 11.4
  L1 w0.3: U6.1@20.287,16.759 U6.2@20.287,15.809 20.412,15.684 20.732,15.684 21.773,14.643 21.773,12.51 22.914,11.369 C32.2@23.114,11.369 24.496,11.369 26.548,9.317 R27.2@26.548,9.017
pads on no net: FID1.1 FID2.1 FID3.1 FID4.1 J1.1 J1.8 MH4.1 U1.5 U1.6 U1.7 U1.12 U1.14 U1.22 U1.23 U1.25 U1.26 U8.4 U8.5 U8.6 U8.7 U8.8 U8.9 U8.10 U8.11 U8.12 U8.13 U8.14 U8.16 U8.17 U8.18 U8.19 U8.20 U8.21 U8.22 U8.23 U8.26 U8.27 U8.28 U8.29 U8.30 U8.31 U8.32 U8.33 U8.36 U8.37 U9.4

## Polygon pours and split planes (outlines as drawn)
+3V3_ESP_VCC on L2 "+3V3_ESP_VCC_L02_P034" (solid, remove dead copper, pour order 34): 74.3,44.2 73.8,43.7 73.8,43.6 69.3,43.6 68.5,44.4 68.5,49.4 71.3,49.4 71.3,44.5 74,44.5
GND on L2 "GND_L02_P033" (solid, remove dead copper, pour order 33): 83.3,24.7 83.3,14.9 88.3,14.9 88.5,15.1 88.5,24.6 83.4,24.6
+3.3V_ESP on L2 "+3.3V_ESP_L02_P032" (solid, remove dead copper, pour order 32): 68.9,24.5 68.9,23.6 75.1,23.6 75.1,24.5 69,24.5
GND on L2 "GND_L02_P031" (solid, remove dead copper, pour order 31): 66.6,27.3 68.3,27.3 68.8,26.8 68.8,24.7 75.2,24.7 75.3,24.8 75.3,25.7 70.5,25.7 69.9,26.3 69.9,28.6 66.6,28.6
GND on L2 "GND_L02_P030" (solid, remove dead copper, pour order 30): 78,22.4 77.1,23.3 68.2,23.3 66.1,25.4 66.1,28.8 69.3,28.8 69.9,29.4 69.9,38.2 68.8,38.2 67.4,39.6 63.5,39.6 63.5,32.6 65.8,30.3 65.8,22 67.7,20.1 67.7,19.1 67.1,18.5 66.9,18.7 64.7,18.7 64.7,12.1 64.8,12 77,12 78,13 78,14.9
GND on L2 "GND_L02_P029" (solid, remove dead copper, pour order 29): 73.4,14.5 92.1,14.5 92.3,14.3 92.3,-0.7 77.2,-0.7 76.6,-0.1 76.6,12.4 76.4,12.6 76.3,12.5 73.4,12.5
+5V on L2 "+5V_L02_P028" (solid, remove dead copper, pour order 28): 68.6,11.6 68.6,10.9 70.7,8.8 70.7,-0.8 76.4,-0.8 76.6,-0.6 76.2,-0.2 76.2,11.6
+5/3.3V on L2 "+5/3.3V_L02_P005" (solid, remove dead copper, pour order 5): 12.9,10.5 12.9,7.6 13.4,7.1 13.6,7.3 15.5,7.3 15.5,10.7 15.4,10.8 17.3,12.7 21.9,12.7 23.9,10.7 30.4,10.7 37,4.1 39.9,4.1 39.9,1 40.3,0.6 62.7,0.6 62.7,8.8 62.3,9.2 54.8,9.2 52.8,7.2 35.2,7.2 30.9,11.5 25.8,11.5 23.5,13.8 9,13.8 9,9.7 8.7,9.4 8.8,9.3 8.8,7.8 10,7.8 10.2,8 10.2,10.5
GND on L2 "GND_L02_P013" (solid, remove dead copper, pour order 13): 7.5,26.3 7.5,25.9 6.561,24.961 6.561,18.444 8.144,18.444 9.5,19.8 9.5,22.9 16.2,22.9 17,22.1 19.8,22.1 22.8,19.1 22.4,18.7 22.4,15.6 17.8,15.6 17.1,14.9 18.081,13.919 18.081,13.775 23.475,13.775 23.5,13.8 24.6,12.7 27.2,12.7 28.4,13.9 29.6,13.9 30.3,13.2 30.3,11.7 30.7,11.7 35.2,7.2 45.617,7.2 45.617,8.017 45.8,8.2 43,11 33.7,11 33.7,15 28.2,15 25,18.2 25,34.2 24.9,34.2 23.3,35.8 20.6,35.8 20.6,25.8 19.7,24.9 18.3,26.3
+5V_USB on L2 "+5V_USB_L02_P002" (solid, remove dead copper, pour order 2): 5.4,23.4 5.4,18.9 6.6,17.7 6.6,12 5.3,10.7 5.3,9.8 6.7,9.8 7.2,10.3 7.2,18 6.2,19 6.2,23.5 6.1,23.4
+5/3.3V on L2 "+5/3.3V_L02_P006" (solid, remove dead copper, pour order 6): 10.8,43.3 10.8,41.6 12.2,40.2 23,40.2 23,42.5 22.9,42.6 22.8,42.5 16.2,42.5 15.4,43.3
GND on L2 "GND_L02_P008" (solid, remove dead copper, pour order 8): 25,52.2 25,49.9 26,48.9 64.6,48.9 65.5,49.8 65.5,52.8 25.7,52.8 25.1,52.2
+5/3.3V on L2 "+5/3.3V_L02_P007" (solid, remove dead copper, pour order 7): 23.2,44.3 23.2,42.4 24.3,42.4 25.5,41.4 25.9,41.4 30.9,41.4 30.9,44.8 30.5,45.2 24.1,45.2 24.1,45.1 23.3,44.3
+3.3V on L2 "+3.3V_L02_P001" (solid, remove dead copper, pour order 1): 15.7,7.5 22.5,7.5 26.2,3.8 34.1,3.8 34.4,3.5 34.4,1.3 36.5,1.3 36.6,1.4 36.6,4.1 30.2,10.5 21.9,10.5 21.9,12 21.7,12.2 19.4,12.2 19.4,11.2 18.7,10.5 15.8,10.5 15.8,7.6
+5V on L2 "+5V_L02_P000" (solid, remove dead copper, pour order 0): 0.2,0.6 0.3,0.7 0.3,5.8 4.7,5.8 6.3,7.4 10.3,7.4 10.3,10.1 10.7,10.5 12.9,10.5 12.9,7.6 13.6,6.9 22,6.9 26.8,2.1 26.8,1.1 36.9,1.1 37,1.2 36.8,1.4 36.8,3.9 39.3,3.9 39.5,3.7 39.5,0.5 0.3,0.5
+3V3_ESP_VCC on L1 "+3V3_ESP_VCC_L01_P042" (solid, remove dead copper, pour order 42): 74.1,44.4 74,44.3 73.2,44.3 73.2,44.1 73.1,44 70.8,44 70.8,43.6 70.3,43.1 70.3,42.2 69.5,41.4 68.5,41.4 68.5,40.6 68.8,40.3 68.9,40.3 68.9,38.9 69.8,38 69.8,32.4 69.6,32.2 68.9,32.2 68.9,31.3 69.2,31 70.6,31 70.6,40.8 70.3,41.1 70.8,41.6 70.8,42.955 70.767,42.987 70.88,43.1 73.7,43.1 73.8,43 74.1,43.3 74.1,44.1 74,44.2
+3.3V_ESP on L1 "+3.3V_ESP_L01_P041" (solid, remove dead copper, pour order 41): 71.7,3.4 71.6,3.5 69.6,3.5 69.6,5.7 69.5,5.8 69.9,6.2 69.9,11.6 68.5,13 68.5,28.8 68.4,28.9 69,29.5 69,30.2 69.2,30.4 70.4,30.4 70.4,25.3 71.1,24.6 71.1,23.3 70.6,23.3 70.4,23.1 70.5,23 70.5,19.7 69.7,19.7 69.4,19.4 69.4,13.3 71,11.7 70.9,11.6 70.9,4.4 71.9,4.4 71.9,3.5
GND on L1 "GND_L01_P040" (solid, remove dead copper, pour order 40): 84.3,23.6 83.3,23.6 82.5,22.8 82.5,21.8 80.8,21.8 80.7,21.9 80.7,23.6 78.6,23.6 78.4,23.4 78.4,22 75.1,22 75,21.9 75,24.5 74.8,24.5 74.2,25.1 74.3,25.2 74.3,26 82.1,26 82.3,26.2 84.4,24.1 84.5,24.1 84.5,23.9 84.3,23.7
GND on L1 "GND_L01_P039" (solid, remove dead copper, pour order 39): 87.4,29 87.1,29.3 87.1,40.1 74,40.1 73.9,40 74.2,39.7 74.2,29 87,29 87.1,29.1
+3.3V_ESP on L1 "+3.3V_ESP_L01_P038" (solid, remove dead copper, pour order 38): 73,24.6 73.2,24.4 73.2,19.6 76.9,19.6 77,19.7 77,20.6 81.4,20.6 82.5,19.5 82.5,18.6 82.7,18.4 82.8,18.5 86.5,18.5 86.5,23.1 86.3,23.3 83.3,23.3 83.3,21.7 83.2,21.6 74.7,21.6 74.7,24.3 74.3,24.7 73.1,24.7
GND on L1 "GND_L01_P037" (solid, remove dead copper, pour order 37): 86.8,21.09 86.8,18.4 87.3,17.9 91.3,17.9 91.3,21 91.2,21.1 86.8,21.1
GND on L1 "GND_L01_P036" (solid, remove dead copper, pour order 36): 74.2,4 72.1,1.9 72.1,0.8 72.5,0.8 72.5,1.3 75,3.8 77.1,3.8 78.1,2.8 86.8,2.8 87.9,3.9 87.9,13.2 87.6,13.2 86.5,14.3 86.6,14.4 86.6,14.9 88.4,14.9 88.6,15.1 88.5,15.2 88.5,16.3 83.3,16.3 83.2,16.2 83.2,14.9 84.8,14.9 84.7,14.8 84.7,4.3 84.6,4.3 83.8,3.5 80.9,3.5 78.9,5.5 78.9,12.7 76.4,12.7 72.7,9 72.7,4.4 74,4.4 74,4.2
+5V on L1 "+5V_L01_P035" (solid, remove dead copper, pour order 35): 69.1,3.1 73.2,3.1 71.9,1.8 71.9,0.6 72,0.5 72.1,0.6 72.9,0.6 72.9,1.5 74.8,3.4 92.3,3.1 92.3,-1.1 81.369,-1.1 69.1,-1.1
GND on L1 "GND_L01_P026" (solid, remove dead copper, pour order 26): 5.4,22.6 5.4,24.5 0.7,24.5 0.2,24 0.2,11.8 3.5,11.8 4.7,13 5,12.7 8.1,12.7 8.3,12.5 8.3,8.8 7.7,8.2 6.35,8.2 6.35,7.35 6.4,7.3 6.6,7.5 8.9,7.5 8.9,11.4 10.4,12.9 12,12.9 12,16.2 12.7,16.9 17.6,16.9 17.6,19 17.5,19.1 14.4,19.1 14.4,19 13.7,18.3 7.5,18.3 7.5,18.9 7.4,19 6.7,19 6.7,18.7 6.5,18.5 6.5,17.9 6.6,17.9 6.8,17.7 10.1,17.7 10.1,16.1 10.2,16 8.3,16 8.3,16.1 8,16.4 6.6,16.4 6.6,16.6 5.6,17.6 5.6,19.3 4,19.3 3.9,19.4 3.9,22.7 5.3,22.7
GND on L1 "GND_L01_P025" (solid, remove dead copper, pour order 25): 6.3,8.2 6.3,5.4 6.7,5 9.6,5 9.6,1 10.1,0.5 21.1,0.5 21.1,9.5 20.9,9.7 20.8,9.6 19.2,9.6 19.2,9.5 18.2,8.5 18.2,7.4 16.2,7.4 15.4,6.6 10.4,6.6 9.5,7.5 8.3,7.5 8.3,8.3 8.2,8.2 6.4,8.2
GND on L1 "GND_L01_P024" (solid, remove dead copper, pour order 24): 58.5,33.8 58.5,32.6 59.2,31.9 59.2,30.4 60.4,29.2 60.5,29.3 68.5,29.3 68.5,39.6 68.1,40 64.5,40 64.5,42.2 64.4,42.3 61.7,42.3 57.4,38 57.5,37.9 57.5,36.7 59,36.7 59,38.1 60.8,38.1 60.9,38.2 61,38.1 61,33.9 58.6,33.9
+5/3V3_328P_VCC on L1 "+5/3V3_328P_VCC_L01_P023" (solid, remove dead copper, pour order 23): 47.5,9.8 47.5,9.7 47.3,9.5 47.5,9.3 47.5,4.6 48.5,4.6 48.6,4.7 48.5,4.8 48.5,9.2 47.8,9.9 47.7,9.8
+5/3V3_328P_AVCC on L1 "+5/3V3_328P_AVCC_L01_P022" (solid, remove dead copper, pour order 22): 41.1,13.7 41.1,11.6 41.4,11.3 41.4,6.9 44,6.9 44.7,7.6 44.7,8.3 44.2,8.8 43,8.8 43,13.2 42.5,13.7 41.2,13.7
GND on L1 "GND_L01_P021" (solid, remove dead copper, pour order 21): 39.5,10.7 39.5,8.6 38.8,7.9 38.4,7.9 38.4,7.7 38.8,7.3 39.3,7.3 39.3,1.7 39.8,1.2 39.9,1.3 44.2,1.3 44.2,1.7 44.4,1.9 44.3,2 44.3,3.8 42.3,3.8 40.9,5.2 40.9,10.7 39.6,10.7
+5V on L1 "+5V_L01_P020" (solid, remove dead copper, pour order 20): 32.1,9.4 32.1,8.7 32.2,8.6 36.8,8.6 36.8,2.2 37.9,1.1 39,1.1 39,6.7 38,7.7 38,9.2 35.5,9.2 35.2,9.5 32.2,9.5
+3.3V on L1 "+3.3V_L01_P019" (solid, remove dead copper, pour order 19): 32.3,5.7 32.3,4.7 32.6,4.4 34.8,4.4 34.8,1.7 35.2,1.3 35.9,1.3 36.6,2 36.5,2.1 36.5,5.7
+5/3.3V on L1 "+5/3.3V_L01_P018" (solid, remove dead copper, pour order 18): 26.6,4.3 29.3,4.3 29.5,4.1 29.5,1.3 31.5,1.3 31.8,1.6 32,6.1 33.9,6.2 34.5,6.8 34.5,7.6 34.3,7.7 34,7.8 33.7,7.8 32.1,7.8 32.1,7.1 31.2,6.2 26.6,6.2 26.6,5.4 26.6,6.2 26.6,5.4
+5V on L1 "+5V_L01_P017" (solid, remove dead copper, pour order 17): 10.4,12.1 10.4,8.1 10.8,7.7 12.6,7.7 12.6,9.6 13.4,10.4 15.2,10.4 15.2,12.9 15,13.1 14.9,13 12.7,13 11.8,12.1
+3.3V on L1 "+3.3V_L01_P016" (solid, remove dead copper, pour order 16): 15.8,9.9 15.8,7.7 15.9,7.6 16,7.7 17.6,7.7 17.6,8.8 19.3,10.5 21.8,10.5 21.8,11.8 21.4,12.2 19.3,12.2 19.3,12.9 19.2,13 16.9,13 16.9,12.9 16.6,12.6 16.6,10.2 16.1,10.2
+5V_USB on L1 "+5V_USB_L01_P015" (solid, remove dead copper, pour order 15): 0.9,8.8 8.1,8.8 8.1,12 8.2,12.1 8,12.3 5.1,12.3 4.1,11.3 0.9,11.3
+5V on L1 "+5V_L01_P014" (solid, remove dead copper, pour order 14): 0.4,8.4 0.8,8 5.5,8 5.5,4.9 6,4.4 8.4,4.4 8.4,0.8 0.1,0.8 0.1,8.3 0.2,8.2 0.7,8.2

## Silkscreen, mask and mechanical layers (free items; w line width, h text height)
Top Overlay:
  drawing of 67 lines, arcs and shapes, not listed
  text "Yoav Yukelson" at 33.244,43.322 h1.52
  text "PCB Project" at 34.765,40.922 h1.52
  text "U" at 21.7,40.6 h1
  text "T" at 27,39.5 h1
  text "R" at 27.1,37.7 h1
  text "ATMEGA16U2-AU" at 12.923,27.382 h0.6 r40.24
  text "Reset" at 59,26.3 h1 r90
  text "ATMEGA328P-PU" at 35.154,15.554 h1.52
  text "ESP" at 77.954,13.154 h1.52
  text "User" at 18.6,3.5 h1 r90
Mechanical 3:
  lines w0.254: -23.3,-68.3 69.2,-68.3 ; -23.3,-68.225 -23.3,-58.225 ; -23.3,-48.3 69.2,-48.3 ; 16.7,-58.3 16.7,-48.3 ; 51.7,-48.3 51.7,-40.8 ; 69.2,-68.225 69.2,-58.225 ; -23.3,-58.3 -23.3,-40.8 69.2,-40.8 69.2,-58.3 -23.3,-58.3
  text "Files" at -22.8,94.2 h1.52
  text "Board info" at 84.7,94.2 h1.52
  text "*.GTO - Top Overlay" at -22.8,91.7 h1.52
  text "Minimum Track: 200um" at 84.7,91.7 h1.52
  text "*.GTP - Top Paste" at -22.8,89.2 h1.52
  text "Minimum Gap: 200um" at 84.7,89.2 h1.52
  text "*.GTS - Top Solder" at -22.8,86.7 h1.52
  text "Minimum Through Hole VIA: 0.6mm (pad) / 0.3mm (drill). Drilling: L1-L2" at 84.7,86.7 h1.52
  text "*.GTL - L1 (Positive)" at -22.8,84.2 h1.52
  text "*.GBL - L2 (Positive)" at -22.8,81.7 h1.52
  text "1. FINISHED PANEL THICKNESS IS NOT CRITICAL: TO BE APPROXIMATELY 1.6mm" at 84.7,81.7 h1.52
  text "*.GBS - Bottom Solder" at -22.8,79.2 h1.52
  text "*.GBO - Bottom Overlay" at -22.8,76.7 h1.52
  text "2. BOARD FINISH: IMMERSION Au/ELECTROLESS Ni; 0.05-0.12 um GOLD; 3-6um NICKEL" at 84.7,76.7 h1.52
  text "*.GM2 - Mechanical Drawing" at -22.8,74.2 h1.52
  text "*.GM3 - Manufacturing Notes" at -22.8,71.7 h1.52
  text "3. SOLDER RESIST: APPLY TO BOTH SIDES COLOUR - BLUE" at 84.7,71.7 h1.52
  text "*.GM4 - Licence" at -22.8,69.2 h1.52
  text "*.GM28 - Board Outline" at -22.8,66.7 h1.52
  text "4. COMPONENT IDENT: COLOUR TO BE WHITE" at 84.7,66.7 h1.52
  text "5. PANELIZE THE BOARD (4PCS PER PANEL). PLACE FIDUCIALS ON THE PANEL STRIPS AS FOLLOWS:" at 84.7,61.7 h1.52
  text "- FIDUCIAL DIAMTER 1-1.5MM, SOLDER MASK OPENING AT LEAST 1MM GREATER THAN FIDUCIAL" at 89.7,59.2 h1.52
  text "- MINIMUM 4MM DISTANCE FROM THE PANEL EDGE" at 89.7,56.7 h1.52
  text "- 3 FIDUCIALS SHOULD LIE ON TWO LINES THAT INTERSECT AT A RIGHT ANGLE" at 89.7,54.2 h1.52
  text "- PLACE ONE FIDUCIAL INTO EACH PANEL CORNER (FOUR ON THE TOP LAYER)" at 89.7,51.7 h1.52
  text "28Pins" at -17.8,-45.8 h3
  text "V1" at 54.2,-45.8 h3
  text "Contact:" at -18.3,-63.3 h1.52
  text "yoavyu@gmail.com" at -3.3,-63.3 h1.52

## Text inside footprints (layer, text, board x,y; h text height)
J1: Top Overlay "1" at 27.846,0.254 h1 r90
J2: Top Overlay "1" at 4.572,36.322 h1 r270
J3: Top Overlay "1" at 3.048,36.703 h1 r90
J6: Top Overlay "1" at 0.508,46.482 h1
J8: Top Overlay "1" at 41.529,53.086 h1 r270
J9: Top Overlay "1" at 50.927,0.254 h1 r90
J10: Top Overlay "1" at 63.246,53.086 h1 r270
JP1: Top Overlay "1" at 12.06,44.092 h1
JP2: Top Overlay "1" at 66.04,48.895 h1 r270
JP3: Top Overlay "1" at 12.128,6.26 h1 r90
U8: Mechanical 13 "RefDes2" at 78.327,38.905 h1.27; Mechanical 13 "*" at 72.866,44.165 h1.27
U9: Top Overlay "*" at 71.07,0.627 h1.27 r90; Mechanical 13 "RefDes2" at 72.985,0.227 h1.27 r90; Mechanical 13 "*" at 72.162,1.535 h1.27 r90